# KiCad board DIP8breakout+potToUSB.kicad_pcb (continued)
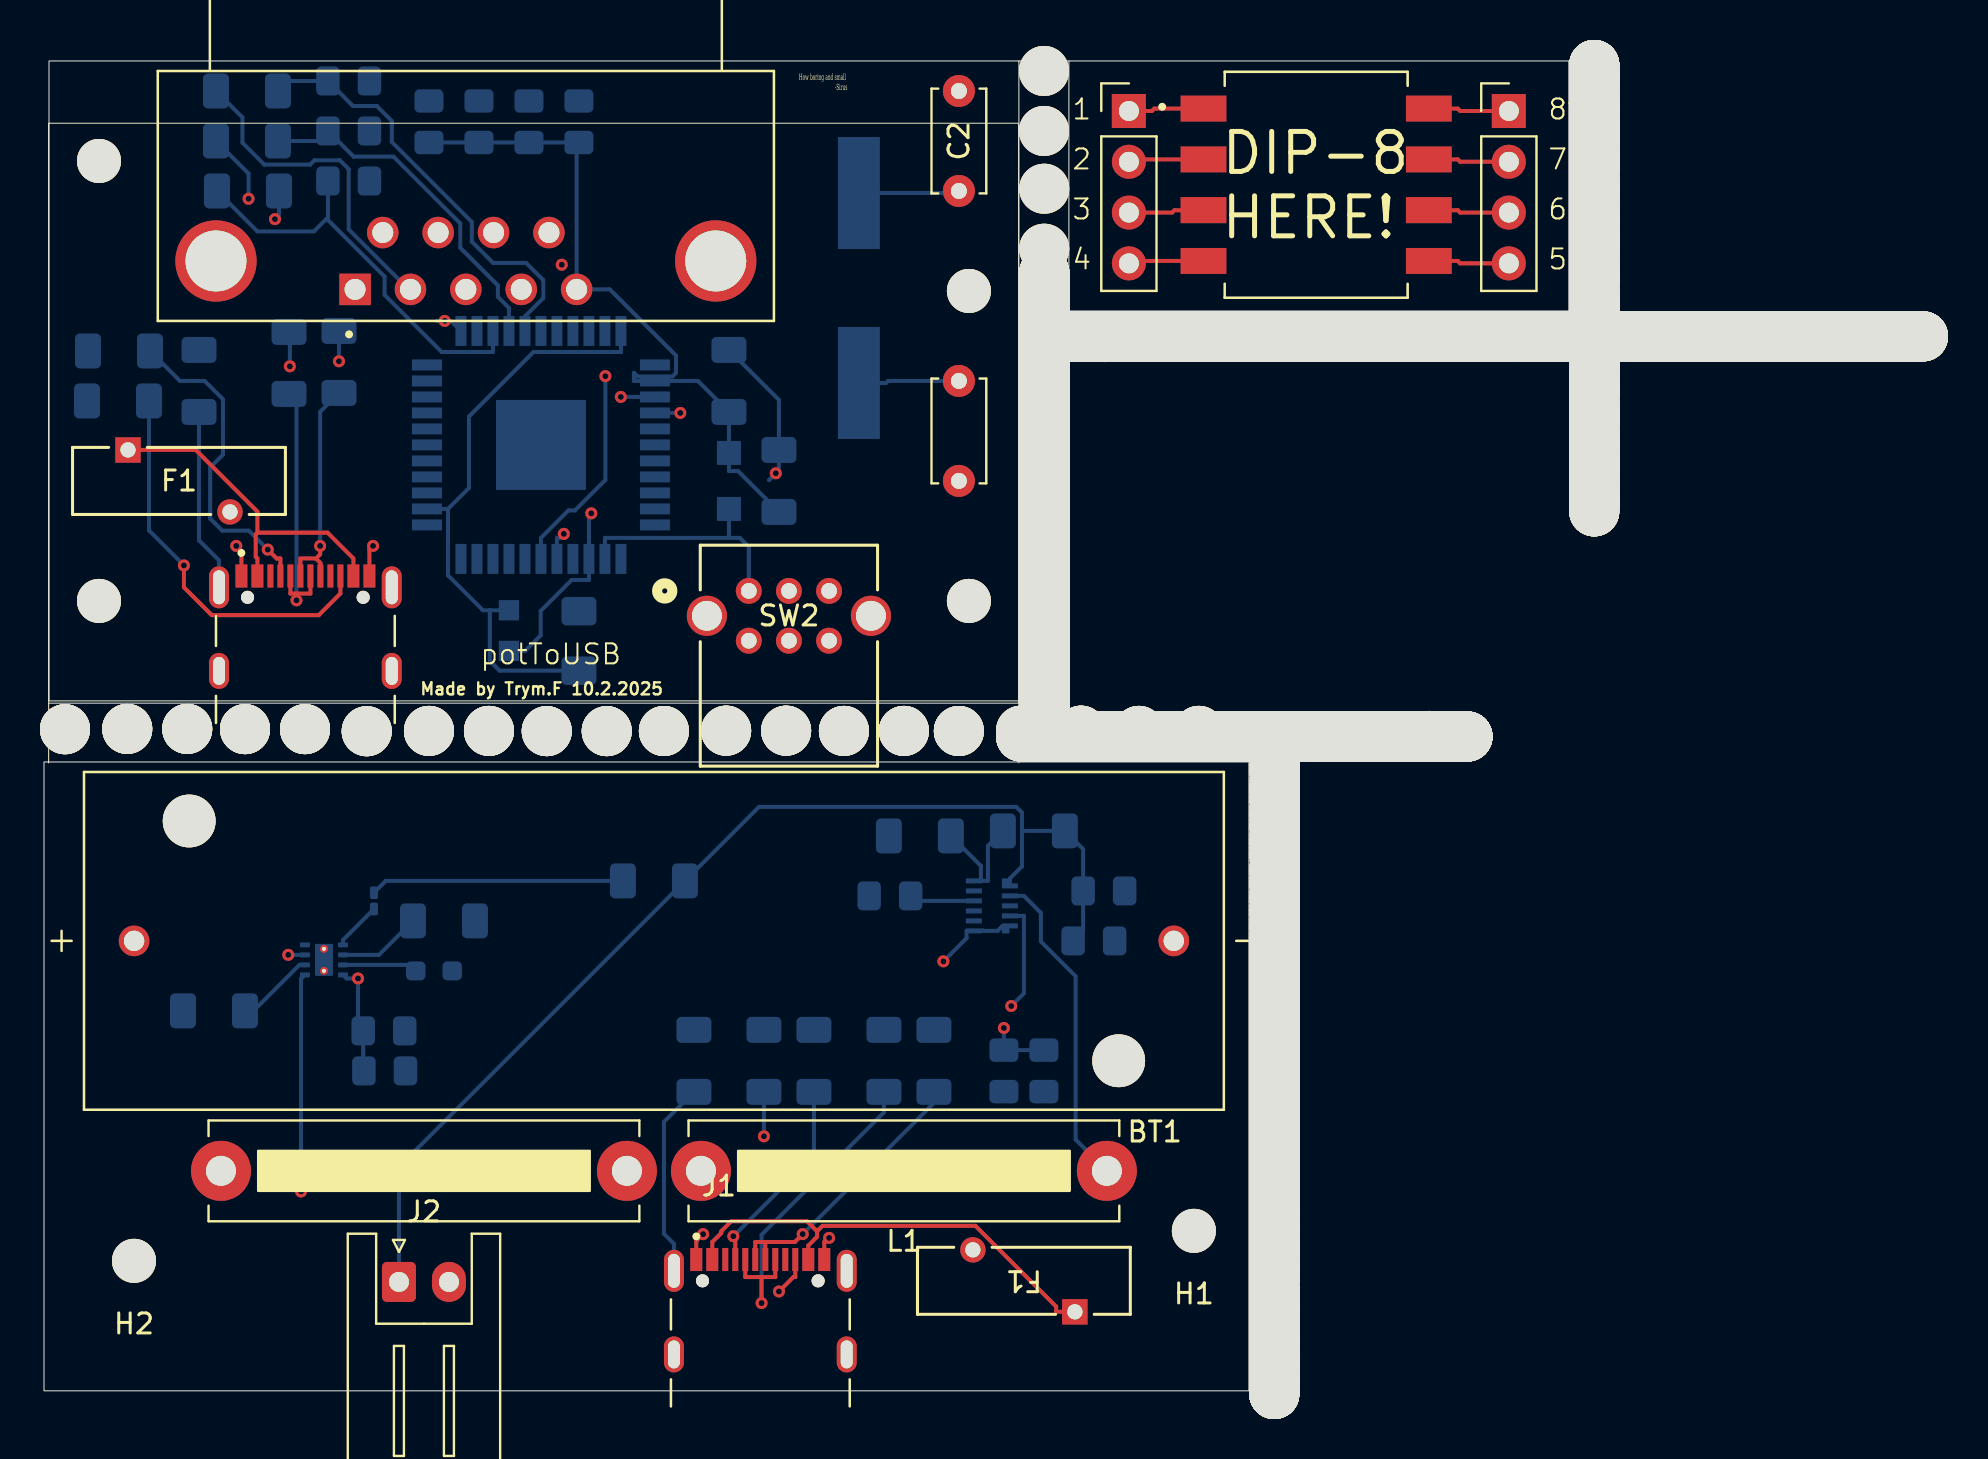
[diagram p0: board, top side]
## Placement (name value [footprint] x y rotation side) (continued)
H10#1439  MountingHole  [MountingHole_2.5mm]  77.52 63.14 180 bottom
H10#1440  MountingHole  [MountingHole_2.5mm]  72.7 52.73 270 bottom
H10#1441  MountingHole  [MountingHole_2.5mm]  77.52 45.58 180 bottom
H10#1442  MountingHole  [MountingHole_2.5mm]  49.72 32.72 90 bottom
H10#1443  MountingHole  [MountingHole_2.5mm]  55.14 52.73 270 bottom
H10#1444  MountingHole  [MountingHole_2.5mm]  61.55 24.69 180 bottom
H10#1445  MountingHole  [MountingHole_2.5mm]  61.52 3 0 bottom
H10#1446  MountingHole  [MountingHole_2.5mm]  61.55 21.93 180 bottom
H10#1447  MountingHole  [MountingHole_2.5mm]  91.5 52.73 270 bottom
H10#1448  MountingHole  [MountingHole_2.5mm]  76.66 52.73 270 bottom
H10#1449  MountingHole  [MountingHole_2.5mm]  49.26 32.72 90 bottom
H10#1450  MountingHole  [MountingHole_2.5mm]  50.02 52.49 180 bottom
H10#1451  MountingHole  [MountingHole_2.5mm]  62.78 52.73 270 bottom
H10#1452  MountingHole  [MountingHole_2.5mm]  61.55 30.87 180 bottom
H10#1453  MountingHole  [MountingHole_2.5mm]  77.52 48.54 180 bottom
H10#1454  MountingHole  [MountingHole_2.5mm]  77.52 53.24 180 bottom
H10#1455  MountingHole  [MountingHole_2.5mm]  77.52 56.1 180 bottom
H10#1456  MountingHole  [MountingHole_2.5mm]  67.4 52.73 270 bottom
H10#1457  MountingHole  [MountingHole_2.5mm]  61.55 23.33 180 bottom
H10#1458  MountingHole  [MountingHole_2.5mm]  89.4 52.73 270 bottom
H10#1459  MountingHole  [MountingHole_2.5mm]  50.02 55.51 180 bottom
H10#1460  MountingHole  [MountingHole_2.5mm]  50.02 55.71 180 bottom
H10#1461  MountingHole  [MountingHole_2.5mm]  61.55 11.41 180 bottom
H10#1462  MountingHole  [MountingHole_2.5mm]  59.22 52.73 270 bottom
H10#1463  MountingHole  [MountingHole_2.5mm]  50.02 41.69 180 bottom
H10#1464  MountingHole  [MountingHole_2.5mm]  61.52 10.7 0 bottom
H10#1465  MountingHole  [MountingHole_2.5mm]  50.02 49.41 180 bottom
H10#1466  MountingHole  [MountingHole_2.5mm]  61.55 31.07 180 bottom
H10#1467  MountingHole  [MountingHole_2.5mm]  77.52 52.78 180 bottom
H10#1468  MountingHole  [MountingHole_2.5mm]  61.55 19.07 180 bottom
H10#1469  MountingHole  [MountingHole_2.5mm]  74.8 52.73 270 bottom
H10#1470  MountingHole  [MountingHole_2.5mm]  77.52 57.5 180 bottom
H10#1471  MountingHole  [MountingHole_2.5mm]  50.02 38.15 180 bottom
H10#1472  MountingHole  [MountingHole_2.5mm]  67.2 52.73 270 bottom
H10#1473  MountingHole  [MountingHole_2.5mm]  93.76 52.73 270 bottom
H10#1474  MountingHole  [MountingHole_2.5mm]  50.02 39.63 180 bottom
H10#1475  MountingHole  [MountingHole_2.5mm]  64.64 52.73 270 bottom
H10#1476  MountingHole  [MountingHole_2.5mm]  66.82 32.72 90 bottom
H10#1477  MountingHole  [MountingHole_2.5mm]  61.52 10.9 0 bottom
H10#1478  MountingHole  [MountingHole_2.5mm]  61.52 2.1 0 bottom
H10#1479  MountingHole  [MountingHole_2.5mm]  61.52 3.46 0 bottom
H10#1480  MountingHole  [MountingHole_2.5mm]  61.52 12.7 0 bottom
H10#1481  MountingHole  [MountingHole_2.5mm]  50.02 43.99 180 bottom
H10#1482  MountingHole  [MountingHole_2.5mm]  83.96 52.73 270 bottom
H10#1483  MountingHole  [MountingHole_2.5mm]  61.52 0.7 0 bottom
H10#1484  MountingHole  [MountingHole_2.5mm]  51.52 32.72 90 bottom
H10#1485  MountingHole  [MountingHole_2.5mm]  61.52 9.3 0 bottom
H10#1486  MountingHole  [MountingHole_2.5mm]  61.52 7.94 0 bottom
H10#1487  MountingHole  [MountingHole_2.5mm]  50.02 46.45 180 bottom
H10#1488  MountingHole  [MountingHole_2.5mm]  50.02 46.85 180 bottom
H10#1489  MountingHole  [MountingHole_2.5mm]  61.55 17.05 180 bottom
H10#1490  MountingHole  [MountingHole_2.5mm]  68.72 32.72 90 bottom
H10#1491  MountingHole  [MountingHole_2.5mm]  61.52 16.32 0 bottom
H10#1492  MountingHole  [MountingHole_2.5mm]  50.02 50.69 180 bottom
H10#1493  MountingHole  [MountingHole_2.5mm]  69.18 32.72 90 bottom
H10#1494  MountingHole  [MountingHole_2.5mm]  61.55 31.53 180 bottom
H10#1495  MountingHole  [MountingHole_2.5mm]  70.98 52.73 270 bottom
H10#1496  MountingHole  [MountingHole_2.5mm]  70.12 32.72 90 bottom
H10#1497  MountingHole  [MountingHole_2.5mm]  77.52 45.24 180 bottom
H10#1498  MountingHole  [MountingHole_2.5mm]  65.04 52.73 270 bottom
H10#1499  MountingHole  [MountingHole_2.5mm]  77.52 47.8 180 bottom
H10#1500  MountingHole  [MountingHole_2.5mm]  50.02 43.59 180 bottom
H10#1501  MountingHole  [MountingHole_2.5mm]  68.22 52.73 270 bottom
H10#1502  MountingHole  [MountingHole_2.5mm]  50.92 32.72 90 bottom
H10#1503  MountingHole  [MountingHole_2.5mm]  83.1 52.73 270 bottom
H10#1504  MountingHole  [MountingHole_2.5mm]  61.55 11.87 180 bottom
H10#1505  MountingHole  [MountingHole_2.5mm]  50.02 45.05 180 bottom
H10#1506  MountingHole  [MountingHole_2.5mm]  77.52 50.28 180 bottom
H10#1507  MountingHole  [MountingHole_2.5mm]  61.52 -0.16 0 bottom
H10#1508  MountingHole  [MountingHole_2.5mm]  77.52 54.84 180 bottom
H10#1509  MountingHole  [MountingHole_2.5mm]  50.02 51.09 180 bottom
H10#1510  MountingHole  [MountingHole_2.5mm]  50.02 54.31 180 bottom
H10#1511  MountingHole  [MountingHole_2.5mm]  77.52 65.04 180 bottom
H10#1512  MountingHole  [MountingHole_2.5mm]  61.52 17.34 0 bottom
H10#1513  MountingHole  [MountingHole_2.5mm]  60.78 32.72 90 bottom
H10#1514  MountingHole  [MountingHole_2.5mm]  89.4 52.73 270 bottom
H10#1515  MountingHole  [MountingHole_2.5mm]  61.55 20.27 180 bottom
H10#1516  MountingHole  [MountingHole_2.5mm]  61.55 20.47 180 bottom
H10#1517  MountingHole  [MountingHole_2.5mm]  73.04 52.73 270 bottom
H10#1518  MountingHole  [MountingHole_2.5mm]  77.52 60.06 180 bottom
H10#1519  MountingHole  [MountingHole_2.5mm]  59.52 32.72 90 bottom
H10#1520  MountingHole  [MountingHole_2.5mm]  61.52 19.2 0 bottom
H10#1521  MountingHole  [MountingHole_2.5mm]  77.48 52.73 270 bottom
H10#1522  MountingHole  [MountingHole_2.5mm]  61.52 13.56 0 bottom
H10#1523  MountingHole  [MountingHole_2.5mm]  61.55 23.83 180 bottom
H10#1524  MountingHole  [MountingHole_2.5mm]  71.18 52.73 270 bottom
H10#1525  MountingHole  [MountingHole_2.5mm]  64.68 32.72 90 bottom
H10#1526  MountingHole  [MountingHole_2.5mm]  61.55 14.17 180 bottom
H10#1527  MountingHole  [MountingHole_2.5mm]  80.24 52.73 270 bottom
H10#1528  MountingHole  [MountingHole_2.5mm]  50.02 48.27 180 bottom
H10#1529  MountingHole  [MountingHole_2.5mm]  53.42 32.72 90 bottom
H10#1530  MountingHole  [MountingHole_2.5mm]  61.55 20.67 180 bottom
H10#1531  MountingHole  [MountingHole_2.5mm]  65.34 52.73 270 bottom
H10#1532  MountingHole  [MountingHole_2.5mm]  50.02 37.61 180 bottom
H10#1533  MountingHole  [MountingHole_2.5mm]  67.56 32.72 90 bottom
H10#1534  MountingHole  [MountingHole_2.5mm]  61.52 9.5 0 bottom
H10#1535  MountingHole  [MountingHole_2.5mm]  83.1 52.73 270 bottom
H10#1536  MountingHole  [MountingHole_2.5mm]  67.14 52.73 270 bottom
H10#1537  MountingHole  [MountingHole_2.5mm]  61.52 15.46 0 bottom
H10#1538  MountingHole  [MountingHole_2.5mm]  81.64 52.73 270 bottom
H10#1539  MountingHole  [MountingHole_2.5mm]  85.36 52.73 270 bottom
H10#1540  MountingHole  [MountingHole_2.5mm]  53.42 32.72 90 bottom
H10#1541  MountingHole  [MountingHole_2.5mm]  68.88 52.73 270 bottom
H10#1542  MountingHole  [MountingHole_2.5mm]  69.62 52.73 270 bottom
H10#1543  MountingHole  [MountingHole_2.5mm]  51.98 52.73 270 bottom
H10#1544  MountingHole  [MountingHole_2.5mm]  61.55 28.77 180 bottom
H10#1545  MountingHole  [MountingHole_2.5mm]  52.18 52.73 270 bottom
H10#1546  MountingHole  [MountingHole_2.5mm]  79.34 52.73 270 bottom
H10#1547  MountingHole  [MountingHole_2.5mm]  50.02 47.31 180 bottom
H10#1548  MountingHole  [MountingHole_2.5mm]  50.02 41.23 180 bottom
H10#1549  MountingHole  [MountingHole_2.5mm]  79.08 52.73 270 bottom
H10#1550  MountingHole  [MountingHole_2.5mm]  77.52 59.6 180 bottom
H10#1551  MountingHole  [MountingHole_2.5mm]  69.62 52.73 270 bottom
H10#1552  MountingHole  [MountingHole_2.5mm]  77.52 53.24 180 bottom
H10#1553  MountingHole  [MountingHole_2.5mm]  60.52 32.72 90 bottom
H10#1554  MountingHole  [MountingHole_2.5mm]  55.68 52.73 270 bottom
H10#1555  MountingHole  [MountingHole_2.5mm]  61.55 28.31 180 bottom
H10#1556  MountingHole  [MountingHole_2.5mm]  61.55 14.83 180 bottom
H10#1557  MountingHole  [MountingHole_2.5mm]  77.52 63.54 180 bottom
H10#1558  MountingHole  [MountingHole_2.5mm]  77.52 58.2 180 bottom
H10#1559  MountingHole  [MountingHole_2.5mm]  51.78 52.73 270 bottom
H10#1560  MountingHole  [MountingHole_2.5mm]  50.02 35.85 180 bottom
H10#1561  MountingHole  [MountingHole_2.5mm]  82.7 52.73 270 bottom
H10#1562  MountingHole  [MountingHole_2.5mm]  78.88 52.73 270 bottom
H10#1563  MountingHole  [MountingHole_2.5mm]  92.36 52.73 270 bottom
H10#1564  MountingHole  [MountingHole_2.5mm]  57.66 32.72 90 bottom
H10#1565  MountingHole  [MountingHole_2.5mm]  59.72 32.72 90 bottom
H10#1566  MountingHole  [MountingHole_2.5mm]  50.02 41.49 180 bottom
H10#1567  MountingHole  [MountingHole_2.5mm]  52.28 32.72 90 bottom
H10#1568  MountingHole  [MountingHole_2.5mm]  61.52 6.54 0 bottom
H10#1569  MountingHole  [MountingHole_2.5mm]  61.52 20.16 0 bottom
H10#1570  MountingHole  [MountingHole_2.5mm]  78.68 52.73 270 bottom
H10#1571  MountingHole  [MountingHole_2.5mm]  50.46 32.72 90 bottom
H10#1572  MountingHole  [MountingHole_2.5mm]  75.26 52.73 270 bottom
H10#1573  MountingHole  [MountingHole_2.5mm]  77.52 48.8 180 bottom
H10#1574  MountingHole  [MountingHole_2.5mm]  77.52 58.4 180 bottom
H10#1575  MountingHole  [MountingHole_2.5mm]  50.02 37.01 180 bottom
H10#1576  MountingHole  [MountingHole_2.5mm]  86.06 52.73 270 bottom
H10#1577  MountingHole  [MountingHole_2.5mm]  50.02 36.55 180 bottom
H10#1578  MountingHole  [MountingHole_2.5mm]  50.02 47.11 180 bottom
H10#1579  MountingHole  [MountingHole_2.5mm]  83.76 52.73 270 bottom
H10#1580  MountingHole  [MountingHole_2.5mm]  50.02 34.65 180 bottom
H10#1581  MountingHole  [MountingHole_2.5mm]  54.74 52.73 270 bottom
H10#1582  MountingHole  [MountingHole_2.5mm]  66.62 32.72 90 bottom
H10#1583  MountingHole  [MountingHole_2.5mm]  82.9 52.73 270 bottom
H10#1584  MountingHole  [MountingHole_2.5mm]  56.76 32.72 90 bottom
H10#1585  MountingHole  [MountingHole_2.5mm]  50.02 52.75 180 bottom
H10#1586  MountingHole  [MountingHole_2.5mm]  57.66 32.72 90 bottom
H10#1587  MountingHole  [MountingHole_2.5mm]  64.68 32.72 90 bottom
H10#1588  MountingHole  [MountingHole_2.5mm]  61.55 18.21 180 bottom
H10#1589  MountingHole  [MountingHole_2.5mm]  50.02 40.83 180 bottom
H10#1590  MountingHole  [MountingHole_2.5mm]  77.52 51.42 180 bottom
H10#1591  MountingHole  [MountingHole_2.5mm]  61.52 15.66 0 bottom
H10#1592  MountingHole  [MountingHole_2.5mm]  50.02 49.41 180 bottom
H10#1593  MountingHole  [MountingHole_2.5mm]  65.14 32.72 90 bottom
H10#1594  MountingHole  [MountingHole_2.5mm]  50.02 39.63 180 bottom
H10#1595  MountingHole  [MountingHole_2.5mm]  50.02 36.05 180 bottom
H10#1596  MountingHole  [MountingHole_2.5mm]  61.52 17.14 0 bottom
H10#1597  MountingHole  [MountingHole_2.5mm]  61.55 11.41 180 bottom
H10#1598  MountingHole  [MountingHole_2.5mm]  61.55 12.77 180 bottom
H10#1599  MountingHole  [MountingHole_2.5mm]  67.4 52.73 270 bottom
H10#1600  MountingHole  [MountingHole_2.5mm]  66.62 32.72 90 bottom
H10#1601  MountingHole  [MountingHole_2.5mm]  50.02 45.71 180 bottom
H10#1602  MountingHole  [MountingHole_2.5mm]  60.92 52.73 270 bottom
H10#1603  MountingHole  [MountingHole_2.5mm]  77.52 49.62 180 bottom
H10#1604  MountingHole  [MountingHole_2.5mm]  50.02 39.89 180 bottom
H10#1605  MountingHole  [MountingHole_2.5mm]  50.02 53.15 180 bottom
H10#1606  MountingHole  [MountingHole_2.5mm]  77.52 56.1 180 bottom
H10#1607  MountingHole  [MountingHole_2.5mm]  50.02 55.91 180 bottom
H10#1608  MountingHole  [MountingHole_2.5mm]  50.02 51.55 180 bottom
H10#1609  MountingHole  [MountingHole_2.5mm]  50.02 45.05 180 bottom
H10#1610  MountingHole  [MountingHole_2.5mm]  61.55 15.45 180 bottom
H10#1611  MountingHole  [MountingHole_2.5mm]  53.12 52.73 270 bottom
H10#1612  MountingHole  [MountingHole_2.5mm]  81.1 52.73 270 bottom
H10#1613  MountingHole  [MountingHole_2.5mm]  55.56 32.72 90 bottom
H10#1614  MountingHole  [MountingHole_2.5mm]  55.36 32.72 90 bottom
H10#1615  MountingHole  [MountingHole_2.5mm]  61.55 23.33 180 bottom
H10#1616  MountingHole  [MountingHole_2.5mm]  61.52 17.6 0 bottom
H10#1617  MountingHole  [MountingHole_2.5mm]  77.52 48 180 bottom
H10#1618  MountingHole  [MountingHole_2.5mm]  50.02 44.65 180 bottom
H10#1619  MountingHole  [MountingHole_2.5mm]  61.52 11.7 0 bottom
H10#1620  MountingHole  [MountingHole_2.5mm]  56.1 32.72 90 bottom
H10#1621  MountingHole  [MountingHole_2.5mm]  56.3 32.72 90 bottom
H10#1622  MountingHole  [MountingHole_2.5mm]  77.52 59.06 180 bottom
H10#1623  MountingHole  [MountingHole_2.5mm]  61.55 20.47 180 bottom
H10#1624  MountingHole  [MountingHole_2.5mm]  82.3 52.73 270 bottom
H10#1625  MountingHole  [MountingHole_2.5mm]  77.52 50.02 180 bottom
H10#1626  MountingHole  [MountingHole_2.5mm]  77.52 52.78 180 bottom
H10#1627  MountingHole  [MountingHole_2.5mm]  66.82 32.72 90 bottom
H10#1628  MountingHole  [MountingHole_2.5mm]  61.52 3.2 0 bottom
H10#1629  MountingHole  [MountingHole_2.5mm]  77.52 46.24 180 bottom
H10#1630  MountingHole  [MountingHole_2.5mm]  63.78 52.73 270 bottom
H10#1631  MountingHole  [MountingHole_2.5mm]  55.36 32.72 90 bottom
H10#1632  MountingHole  [MountingHole_2.5mm]  50.02 36.55 180 bottom
H10#1633  MountingHole  [MountingHole_2.5mm]  57.16 52.73 270 bottom
H10#1634  MountingHole  [MountingHole_2.5mm]  63.94 32.72 90 bottom
H10#1635  MountingHole  [MountingHole_2.5mm]  61.55 14.83 180 bottom
H10#1636  MountingHole  [MountingHole_2.5mm]  77.52 56.84 180 bottom
H10#1637  MountingHole  [MountingHole_2.5mm]  69.92 32.72 90 bottom
H10#1638  MountingHole  [MountingHole_2.5mm]  61.55 10.67 180 bottom
H10#1639  MountingHole  [MountingHole_2.5mm]  53.58 52.73 270 bottom
H10#1640  MountingHole  [MountingHole_2.5mm]  83.96 52.73 270 bottom
H10#1641  MountingHole  [MountingHole_2.5mm]  77.52 46.44 180 bottom
H10#1642  MountingHole  [MountingHole_2.5mm]  58.52 32.72 90 bottom
H10#1643  MountingHole  [MountingHole_2.5mm]  82.04 52.73 270 bottom
H10#1644  MountingHole  [MountingHole_2.5mm]  91 52.73 270 bottom
H10#1645  MountingHole  [MountingHole_2.5mm]  65.14 32.72 90 bottom
H10#1646  MountingHole  [MountingHole_2.5mm]  64.18 52.73 270 bottom
H10#1647  MountingHole  [MountingHole_2.5mm]  50.02 45.05 180 bottom
H10#1648  MountingHole  [MountingHole_2.5mm]  50.02 54.51 180 bottom
H10#1649  MountingHole  [MountingHole_2.5mm]  77.52 51.88 180 bottom
H10#1650  MountingHole  [MountingHole_2.5mm]  77.52 64.04 180 bottom
H10#1651  MountingHole  [MountingHole_2.5mm]  85.36 52.73 270 bottom
H10#1652  MountingHole  [MountingHole_2.5mm]  61.55 14.17 180 bottom
H10#1653  MountingHole  [MountingHole_2.5mm]  70.28 52.73 270 bottom
H10#1654  MountingHole  [MountingHole_2.5mm]  79.54 52.73 270 bottom
H10#1655  MountingHole  [MountingHole_2.5mm]  63.98 52.73 270 bottom
H10#1656  MountingHole  [MountingHole_2.5mm]  61.55 27.37 180 bottom
H10#1657  MountingHole  [MountingHole_2.5mm]  50.02 47.61 180 bottom
H10#1658  MountingHole  [MountingHole_2.5mm]  50.02 38.15 180 bottom
H10#1659  MountingHole  [MountingHole_2.5mm]  69.08 52.73 270 bottom
H10#1660  MountingHole  [MountingHole_2.5mm]  61.52 16.32 0 bottom
H10#1661  MountingHole  [MountingHole_2.5mm]  61.55 25.69 180 bottom
H10#1662  MountingHole  [MountingHole_2.5mm]  76.46 52.73 270 bottom
H10#1663  MountingHole  [MountingHole_2.5mm]  59.92 32.72 90 bottom
H10#1664  MountingHole  [MountingHole_2.5mm]  61.55 12.27 180 bottom
H10#1665  MountingHole  [MountingHole_2.5mm]  90.8 52.73 270 bottom
H10#1666  MountingHole  [MountingHole_2.5mm]  61.52 11.96 0 bottom
H10#1667  MountingHole  [MountingHole_2.5mm]  84.5 52.73 270 bottom
H10#1668  MountingHole  [MountingHole_2.5mm]  77.52 54.64 180 bottom
H10#1669  MountingHole  [MountingHole_2.5mm]  61.52 11.5 0 bottom
H10#1670  MountingHole  [MountingHole_2.5mm]  52.68 32.72 90 bottom
H10#1671  MountingHole  [MountingHole_2.5mm]  61.55 27.37 180 bottom
H10#1672  MountingHole  [MountingHole_2.5mm]  61.52 10.04 0 bottom
H10#1673  MountingHole  [MountingHole_2.5mm]  87.46 52.73 270 bottom
H10#1674  MountingHole  [MountingHole_2.5mm]  61.12 52.73 270 bottom
H10#1675  MountingHole  [MountingHole_2.5mm]  87.92 52.73 270 bottom
H10#1676  MountingHole  [MountingHole_2.5mm]  78.54 52.73 270 bottom
H10#1677  MountingHole  [MountingHole_2.5mm]  61.52 10.5 0 bottom
H10#1678  MountingHole  [MountingHole_2.5mm]  64.88 32.72 90 bottom
H10#1679  MountingHole  [MountingHole_2.5mm]  54.7 32.72 90 bottom
H10#1680  MountingHole  [MountingHole_2.5mm]  51.12 32.72 90 bottom
H10#1681  MountingHole  [MountingHole_2.5mm]  61.55 10.27 180 bottom
H10#1682  MountingHole  [MountingHole_2.5mm]  50.02 45.25 180 bottom
H10#1683  MountingHole  [MountingHole_2.5mm]  61.52 6.14 0 bottom
H10#1684  MountingHole  [MountingHole_2.5mm]  77.52 46.74 180 bottom
H10#1685  MountingHole  [MountingHole_2.5mm]  58.86 32.72 90 bottom
H10#1686  MountingHole  [MountingHole_2.5mm]  61.52 2.6 0 bottom
H10#1687  MountingHole  [MountingHole_2.5mm]  61.55 28.11 180 bottom
H10#1688  MountingHole  [MountingHole_2.5mm]  61.52 12.9 0 bottom
H10#1689  MountingHole  [MountingHole_2.5mm]  75 52.73 270 bottom
H10#1690  MountingHole  [MountingHole_2.5mm]  68.42 52.73 270 bottom
H10#1691  MountingHole  [MountingHole_2.5mm]  61.55 16.65 180 bottom
H10#1692  MountingHole  [MountingHole_2.5mm]  61.55 15.85 180 bottom
H10#1693  MountingHole  [MountingHole_2.5mm]  61.52 19.2 0 bottom
H10#1694  MountingHole  [MountingHole_2.5mm]  66.74 52.73 270 bottom
H10#1695  MountingHole  [MountingHole_2.5mm]  61.55 29.17 180 bottom
H10#1696  MountingHole  [MountingHole_2.5mm]  58.56 52.73 270 bottom
H10#1697  MountingHole  [MountingHole_2.5mm]  93.76 52.73 270 bottom
H10#1698  MountingHole  [MountingHole_2.5mm]  76.66 52.73 270 bottom
H10#1699  MountingHole  [MountingHole_2.5mm]  50.02 50.89 180 bottom
H10#1700  MountingHole  [MountingHole_2.5mm]  61.55 17.71 180 bottom
H10#1701  MountingHole  [MountingHole_2.5mm]  55.68 52.73 270 bottom
H10#1702  MountingHole  [MountingHole_2.5mm]  50.02 40.29 180 bottom
H10#1703  MountingHole  [MountingHole_2.5mm]  68.02 32.72 90 bottom
H10#1704  MountingHole  [MountingHole_2.5mm]  77.52 55.64 180 bottom
H10#1705  MountingHole  [MountingHole_2.5mm]  58.56 52.73 270 bottom
H10#1706  MountingHole  [MountingHole_2.5mm]  51.72 52.73 270 bottom
H10#1707  MountingHole  [MountingHole_2.5mm]  61.52 13.1 0 bottom
H10#1708  MountingHole  [MountingHole_2.5mm]  61.55 18.61 180 bottom
H10#1709  MountingHole  [MountingHole_2.5mm]  1.05 33.08 90 bottom
H10#1710  MountingHole  [MountingHole_2.5mm]  62.58 32.72 90 bottom
H10#1711  MountingHole  [MountingHole_2.5mm]  50.02 53.91 180 bottom
H10#1712  MountingHole  [MountingHole_2.5mm]  51.32 52.73 270 bottom
H10#1713  MountingHole  [MountingHole_2.5mm]  61.52 9.84 0 bottom
H10#1714  MountingHole  [MountingHole_2.5mm]  50.02 44.85 180 bottom
H10#1715  MountingHole  [MountingHole_2.5mm]  55.94 52.73 270 bottom
H10#1716  MountingHole  [MountingHole_2.5mm]  61.55 27.57 180 bottom
H10#1717  MountingHole  [MountingHole_2.5mm]  50.02 47.51 180 bottom
H10#1718  MountingHole  [MountingHole_2.5mm]  69.08 52.73 270 bottom
H10#1719  MountingHole  [MountingHole_2.5mm]  61.55 21.07 180 bottom
H10#1720  MountingHole  [MountingHole_2.5mm]  50.02 51.75 180 bottom
H10#1721  MountingHole  [MountingHole_2.5mm]  90.34 52.73 270 bottom
H10#1722  MountingHole  [MountingHole_2.5mm]  73.24 52.73 270 bottom
H10#1723  MountingHole  [MountingHole_2.5mm]  77.52 64.3 180 bottom
H10#1724  MountingHole  [MountingHole_2.5mm]  51.82 32.72 90 bottom
H10#1725  MountingHole  [MountingHole_2.5mm]  72.5 52.73 270 bottom
H10#1726  MountingHole  [MountingHole_2.5mm]  93.76 52.73 270 bottom
H10#1727  MountingHole  [MountingHole_2.5mm]  62.58 32.72 90 bottom
H10#1728  MountingHole  [MountingHole_2.5mm]  77.52 57.5 180 bottom
H10#1729  MountingHole  [MountingHole_2.5mm]  50.02 43.79 180 bottom
H10#1730  MountingHole  [MountingHole_2.5mm]  79.74 52.73 270 bottom
H10#1731  MountingHole  [MountingHole_2.5mm]  66.82 32.72 90 bottom
H10#1732  MountingHole  [MountingHole_2.5mm]  77.48 52.73 270 bottom
H10#1733  MountingHole  [MountingHole_2.5mm]  80.64 52.73 270 bottom
H10#1734  MountingHole  [MountingHole_2.5mm]  88.74 52.73 270 bottom
H10#1735  MountingHole  [MountingHole_2.5mm]  68.22 32.72 90 bottom
H10#1736  MountingHole  [MountingHole_2.5mm]  88.94 52.73 270 bottom
H10#1737  MountingHole  [MountingHole_2.5mm]  83.3 52.73 270 bottom
H10#1738  MountingHole  [MountingHole_2.5mm]  69.58 32.72 90 bottom
H10#1739  MountingHole  [MountingHole_2.5mm]  61.52 13.76 0 bottom
H10#1740  MountingHole  [MountingHole_2.5mm]  61.55 30.13 180 bottom
H10#1741  MountingHole  [MountingHole_2.5mm]  50.02 51.55 180 bottom
H10#1742  MountingHole  [MountingHole_2.5mm]  61.52 4.66 0 bottom
H10#1743  MountingHole  [MountingHole_2.5mm]  72.04 52.73 270 bottom
H10#1744  MountingHole  [MountingHole_2.5mm]  72.7 52.73 270 bottom
H10#1745  MountingHole  [MountingHole_2.5mm]  61.52 11.96 0 bottom
H10#1746  MountingHole  [MountingHole_2.5mm]  61.52 9.1 0 bottom
H10#1747  MountingHole  [MountingHole_2.5mm]  61.52 4.4 0 bottom
H10#1748  MountingHole  [MountingHole_2.5mm]  49.72 32.72 90 bottom
H10#1749  MountingHole  [MountingHole_2.5mm]  77.52 54.64 180 bottom
H10#1750  MountingHole  [MountingHole_2.5mm]  65.34 32.72 90 bottom
H10#1751  MountingHole  [MountingHole_2.5mm]  61.52 9.3 0 bottom
H10#1752  MountingHole  [MountingHole_2.5mm]  61.55 21.73 180 bottom
H10#1753  MountingHole  [MountingHole_2.5mm]  66.74 52.73 270 bottom
H10#1754  MountingHole  [MountingHole_2.5mm]  77.52 47.14 180 bottom
H10#1755  MountingHole  [MountingHole_2.5mm]  50.02 35.19 180 bottom
H10#1756  MountingHole  [MountingHole_2.5mm]  66 52.73 270 bottom
H10#1757  MountingHole  [MountingHole_2.5mm]  90.14 52.73 270 bottom
H10#1758  MountingHole  [MountingHole_2.5mm]  84.9 52.73 270 bottom
H10#1759  MountingHole  [MountingHole_2.5mm]  76 52.73 270 bottom
H10#1760  MountingHole  [MountingHole_2.5mm]  61.52 19.9 0 bottom
H10#1761  MountingHole  [MountingHole_2.5mm]  77.52 48.54 180 bottom
H10#1762  MountingHole  [MountingHole_2.5mm]  61.55 25.23 180 bottom
H10#1763  MountingHole  [MountingHole_2.5mm]  73.24 52.73 270 bottom
H10#1764  MountingHole  [MountingHole_2.5mm]  61.52 13.36 0 bottom
H10#1765  MountingHole  [MountingHole_2.5mm]  61.55 28.77 180 bottom
H10#1766  MountingHole  [MountingHole_2.5mm]  71.84 52.73 270 bottom
H10#1767  MountingHole  [MountingHole_2.5mm]  51.32 32.72 90 bottom
H10#1768  MountingHole  [MountingHole_2.5mm]  54.08 52.73 270 bottom
H10#1769  MountingHole  [MountingHole_2.5mm]  77.52 64.5 180 bottom
H10#1770  MountingHole  [MountingHole_2.5mm]  61.52 18.34 0 bottom
H10#1771  MountingHole  [MountingHole_2.5mm]  77.52 52.08 180 bottom
H10#1772  MountingHole  [MountingHole_2.5mm]  61.52 16.94 0 bottom
H10#1773  MountingHole  [MountingHole_2.5mm]  61.55 10.87 180 bottom
H10#1774  MountingHole  [MountingHole_2.5mm]  61.52 8.64 0 bottom
H10#1775  MountingHole  [MountingHole_2.5mm]  68.42 52.73 270 bottom
H10#1776  MountingHole  [MountingHole_2.5mm]  50.02 35.65 180 bottom
H10#1777  MountingHole  [MountingHole_2.5mm]  60.18 52.73 270 bottom
H10#1778  MountingHole  [MountingHole_2.5mm]  61.55 19.07 180 bottom
H10#1779  MountingHole  [MountingHole_2.5mm]  77.52 63.14 180 bottom
H10#1780  MountingHole  [MountingHole_2.5mm]  50.02 45.71 180 bottom
H10#1781  MountingHole  [MountingHole_2.5mm]  61.55 26.91 180 bottom
H10#1782  MountingHole  [MountingHole_2.5mm]  61.55 20.47 180 bottom
H10#1783  MountingHole  [MountingHole_2.5mm]  90.14 52.73 270 bottom
H10#1784  MountingHole  [MountingHole_2.5mm]  51.32 32.72 90 bottom
H10#1785  MountingHole  [MountingHole_2.5mm]  80.9 52.73 270 bottom
H10#1786  MountingHole  [MountingHole_2.5mm]  61.18 32.72 90 bottom
H10#1787  MountingHole  [MountingHole_2.5mm]  73.24 52.73 270 bottom
H10#1788  MountingHole  [MountingHole_2.5mm]  92.56 52.73 270 bottom
H10#1789  MountingHole  [MountingHole_2.5mm]  59.72 52.73 270 bottom
H10#1790  MountingHole  [MountingHole_2.5mm]  92.16 52.73 270 bottom
H10#1791  MountingHole  [MountingHole_2.5mm]  61.52 20.9 0 bottom
H10#1792  MountingHole  [MountingHole_2.5mm]  61.55 28.97 180 bottom
H10#1793  MountingHole  [MountingHole_2.5mm]  61.55 13.23 180 bottom
H10#1794  MountingHole  [MountingHole_2.5mm]  62.88 32.72 90 bottom
H10#1795  MountingHole  [MountingHole_2.5mm]  61.55 25.43 180 bottom
H10#1796  MountingHole  [MountingHole_2.5mm]  74.1 52.73 270 bottom
H10#1797  MountingHole  [MountingHole_2.5mm]  61.55 16.11 180 bottom
H10#1798  MountingHole  [MountingHole_2.5mm]  77.52 64.04 180 bottom
H10#1799  MountingHole  [MountingHole_2.5mm]  61.12 52.73 270 bottom
H10#1800  MountingHole  [MountingHole_2.5mm]  66 52.73 270 bottom
H10#1801  MountingHole  [MountingHole_2.5mm]  61.55 13.97 180 bottom
H10#1802  MountingHole  [MountingHole_2.5mm]  85.16 52.73 270 bottom